# Altium PCB FMC-320U-A1.PcbDoc (part 1 of 2)
Units mm, origin at the board's own origin, x right, y up, seen from the top; angles counter-clockwise.
Board outline 106 x 84 mm, 2 copper layers (L1, L2), stack 0.533 mm thick; 77 components, 125 nets, 413 pads, 171 vias.
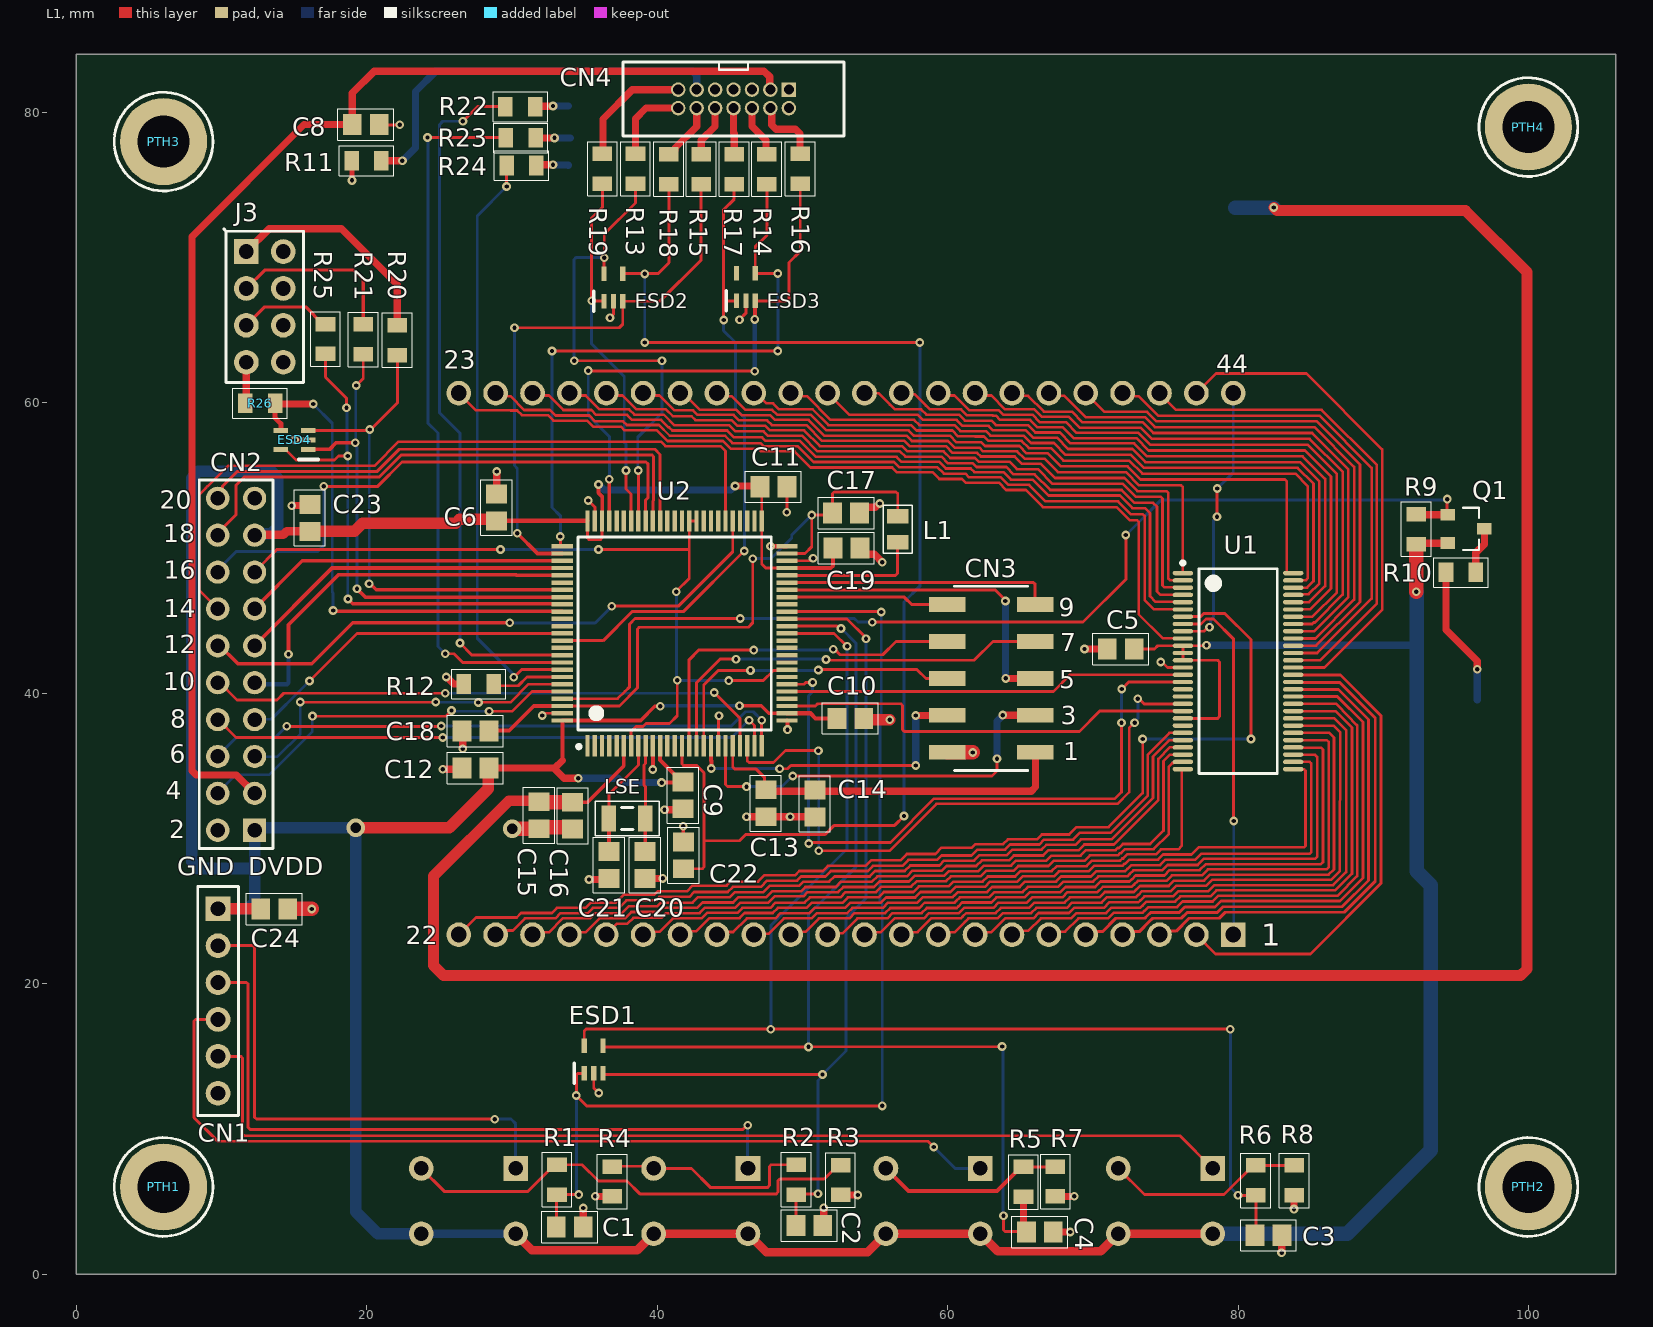
[diagram p0: L1 view]
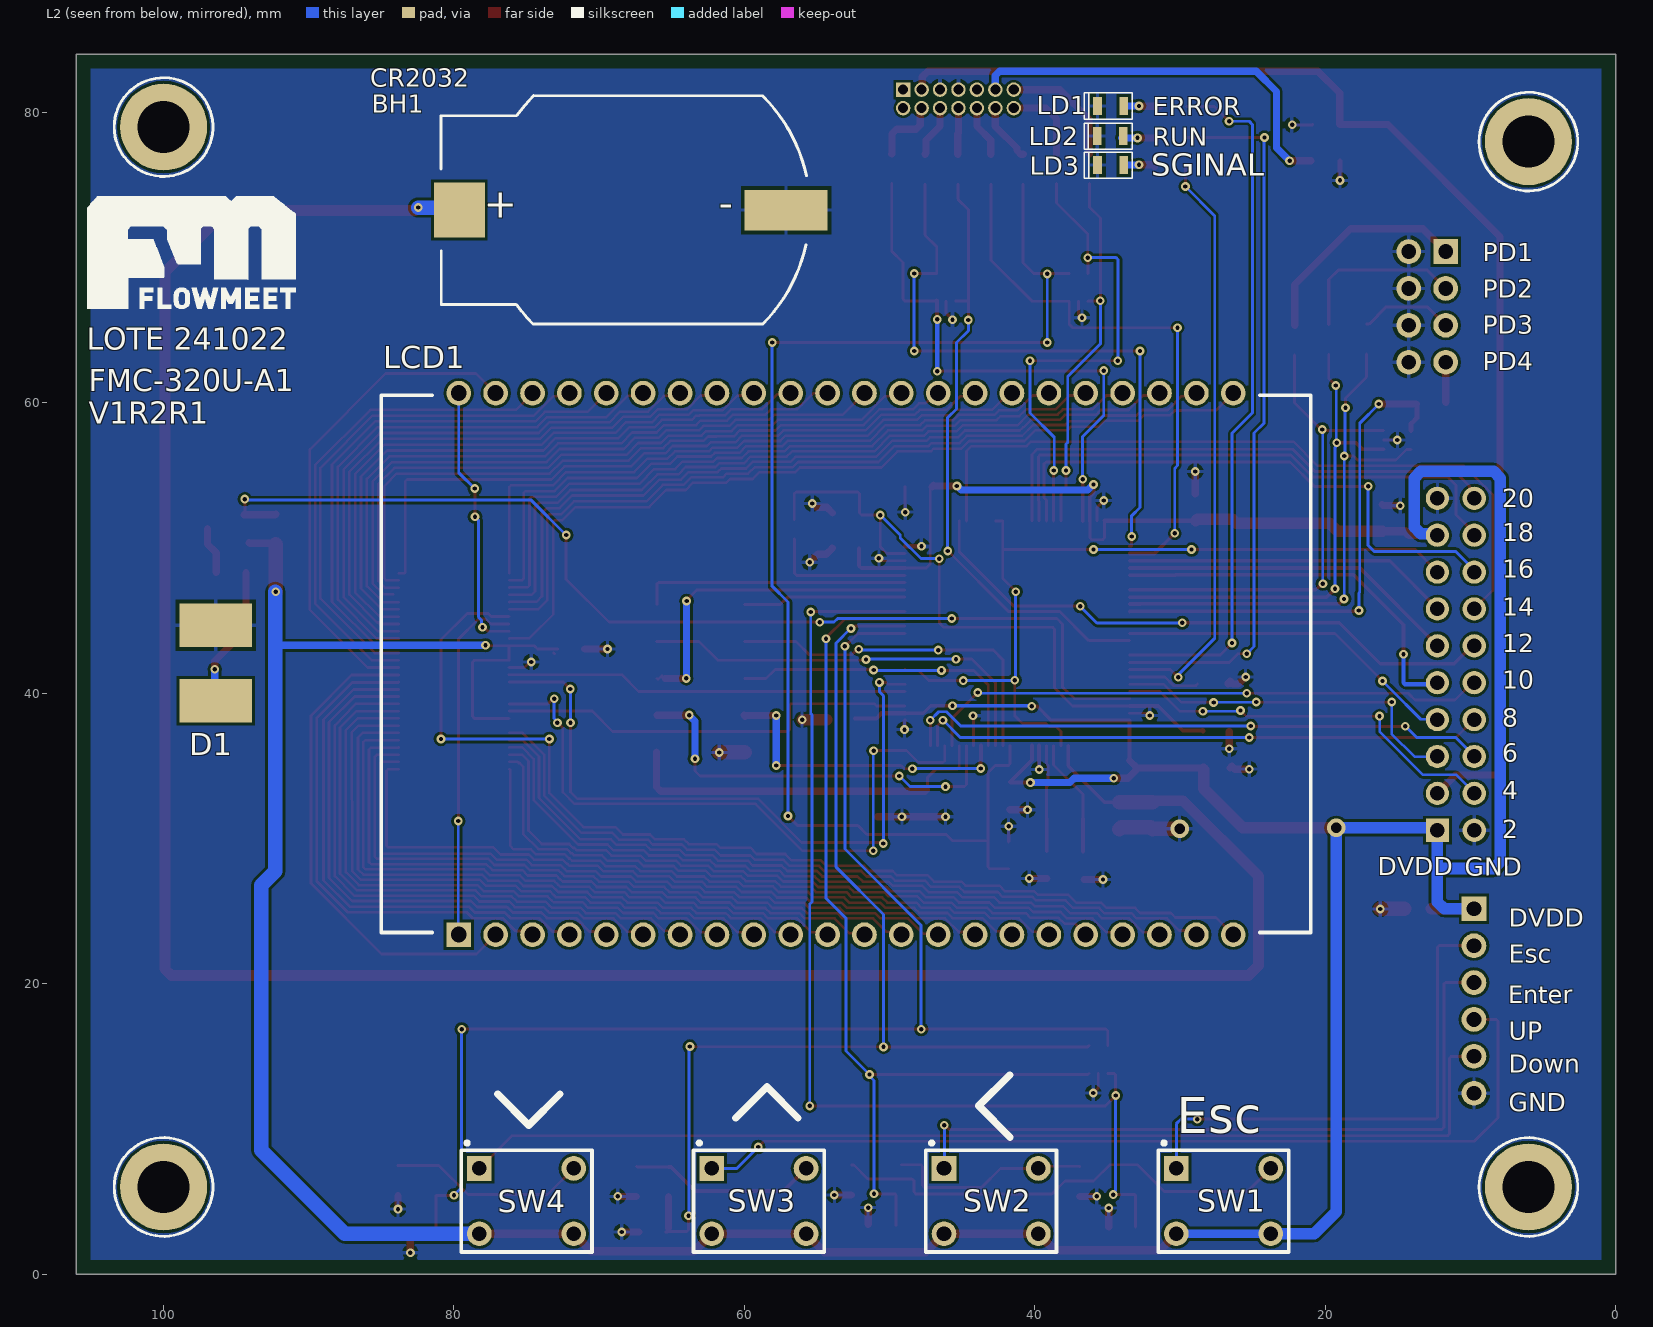
[diagram p1: L2 view, seen from below]
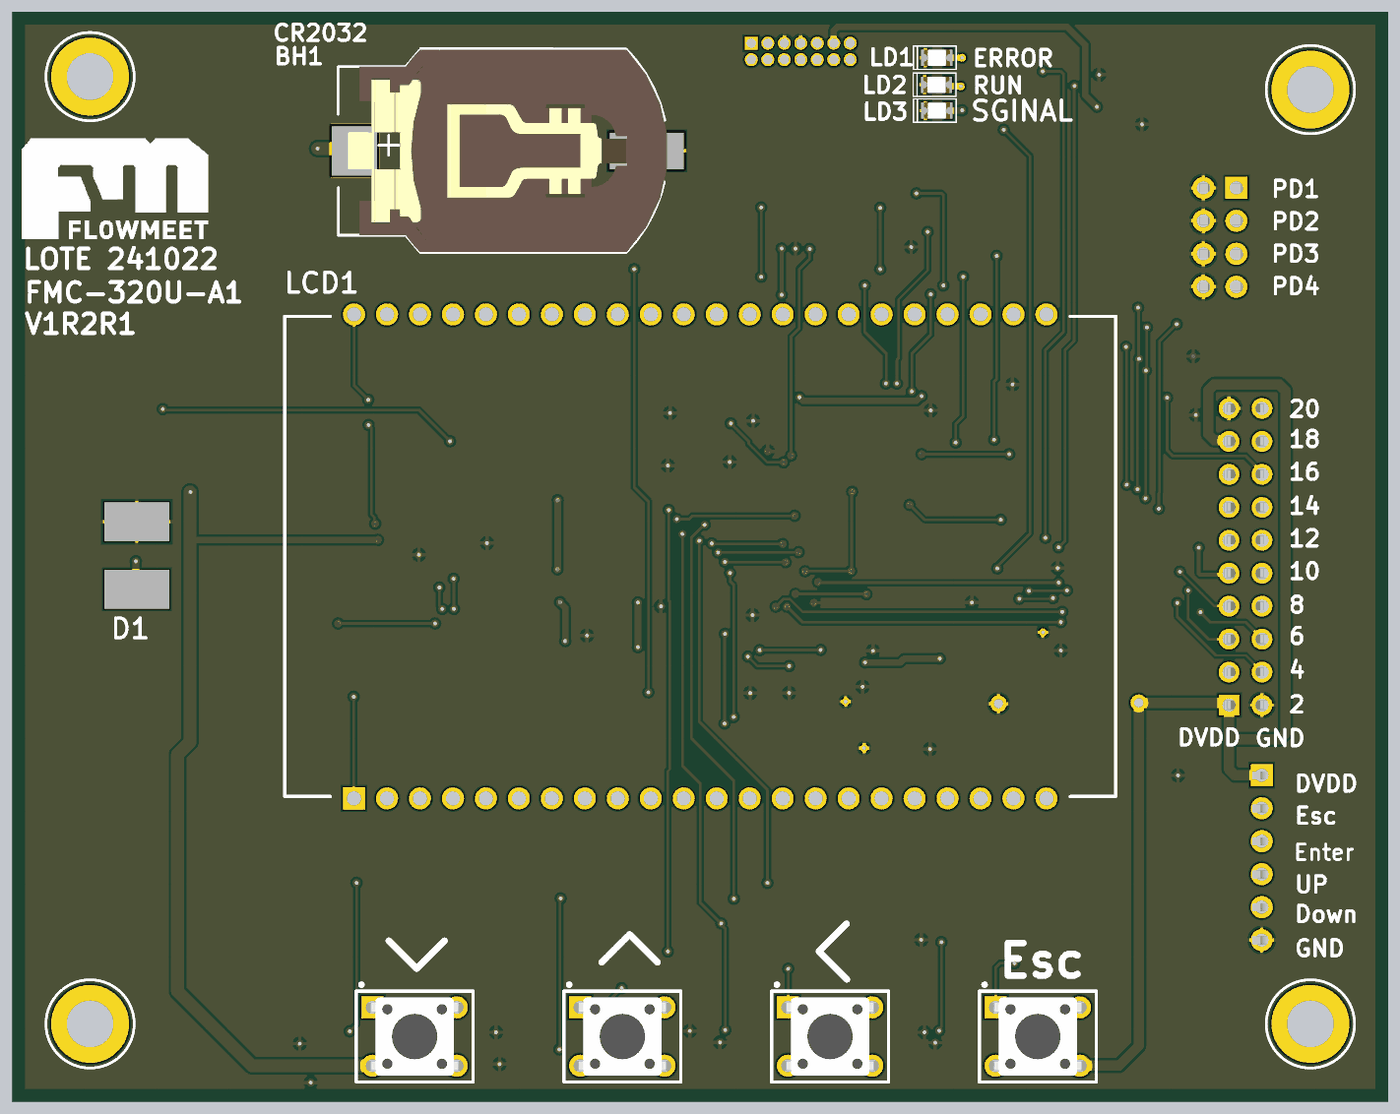
[diagram p3: 3D render of the assembled board from below, using the file's embedded part models]

## Layer stack, top to bottom
Top Solder: solder mask 0.0102, Solder Resist, Dk 3.5
L1: signal copper 0.0356
Dielectric 2: prepreg 0.0711, PP-006, Dk 4.1
Dielectric 1: dielectric 0.32, FR-4, Dk 4.8
Dielectric 3: prepreg 0.0711, PP-006, Dk 4.1
L2: signal copper 0.0356
Bottom Solder: solder mask 0.0102, Solder Resist, Dk 3.5

## Board outline
0,0 0,84 106,84 106,0

## Design rules (kind name [scope] priority, off if disabled: settings)
BoardOutlineClearance [All] p1: gap=0.2 ignorepadtopadclearanceinfootprint=FALSE
Clearance [All] p1: gap=0.18 ignorepadtopadclearanceinfootprint=FALSE
ComponentClearance [All] p1: gap=0.099 collisioncheckmode=3 verticalgap=0.099 showdistances=FALSE
HoleSize [All] p1: absolutevalues=TRUE maxlimit=6 minlimit=0.25 maxpercent=80.000 minpercent=20.000
MinimumSolderMaskSliver [All] p1: minsoldermaskwidth=0.051
PolygonConnect [All] p1: connectstyle=Relief reliefconductorwidth=0.254 reliefentries=4 polygonreliefangle="90 Angle" airgapwidth=0.254
RoutingVias [All] p1: holewidth=0.3 width=0.6 viastyle="Through Hole" minholewidth=0.3 minwidth=0.6 maxholewidth=6 maxwidth=10
SilkToSilkClearance [All] p1: silktosilkclearance=0.15
SilkToSolderMaskClearance [IsPad] p1: minsilkscreentomaskgap=0.15 clearancetoexposedcopper=TRUE
SolderMaskExpansion [All] p1: expansion=0.102 istentingtop=FALSE
Width [All] p1: maxlimit=10 minlimit=0.18 preferedwidth=0.2
25 further rules are at their usual default settings.

## Components (designator, comment, footprint, x,y, rotation, side; value= is the part's Value field where it differs from the comment)
BH1 "CR2032" BS-08-B2AA016 66.625,73.278 r0 bottom
C1 "100nF" CAP_SM0805_YAGEOCC2_N 33.975,3.243 r0 top
C2 "100nF" CAP_SM0805_YAGEOCC2_N 50.475,3.353 r0 top
C3 "100nF" CAP_SM0805_YAGEOCC2_N 82.1,2.678 r0 top
C4 "100nF" CAP_SM0805_YAGEOCC2_N 66.35,2.903 r0 top
C5 "100nF" CAP_SM0805_YAGEOCC2_N 71.923,43.053 r180 top
C6 "100nF" CAP_SM0805_YAGEOCC2_N 28.925,52.801 r90 top
C8 "10uF" CAP_SM0805_YAGEOCC2_N 19.925,79.175 r180 top
C9 "100nF" CAP_SM0805_YAGEOCC2_N 41.775,32.978 r270 top
C10 "100nF" CAP_SM0805_YAGEOCC2_N 53.298,38.278 r0 top
C11 "100nF" CAP_SM0805_YAGEOCC2_N 48,54.228 r0 top
C12 "100nF" CAP_SM0805_YAGEOCC2_N 27.475,34.853 r180 top
C13 "100nF" CAP_SM0805_YAGEOCC2_N 47.475,32.43 r270 top
C14 "2.2uF" CAP_SM0805_YAGEOCC2_N 50.85,32.403 r270 top
C15 "100nF" CAP_SM0805_YAGEOCC2_N 31.85,31.602 r270 top
C16 "1uF" CAP_SM0805_YAGEOCC2_N 34.175,31.575 r270 top
C17 "2.2uF" CAP_SM0805_YAGEOCC2_N 53.007,52.424 r0 top
C18 "2.2uF" CAP_SM0805_YAGEOCC2_N 27.475,37.403 r180 top
C19 "10uF" CAP_SM0805_YAGEOCC2_N 53.027,50.003 r0 top
C20 "12pF" CAP_SM0805_YAGEOCC2_N 39.15,28.178 r270 top
C21 "12pF" CAP_SM0805_YAGEOCC2_N 36.675,28.178 r270 top
C22 "100nF" CAP_SM0805_YAGEOCC2_N 41.805,28.844 r90 top
C23 "10uF" CAP_SM0805_YAGEOCC2_N 16.074,52.085 r270 top
C24 "10uF" CAP_SM0805_YAGEOCC2_N 13.623,25.15 r0 top
CN1 "PH2.54-07-06PWD" "HEADER PIN 1X6 A 90 GRADOS" 9.75,18.81 r270 top
CN2 "DW254R-22-20-85" DW254R-22-10-85 11,42 r90 top locked
CN3 "DW254S-22-10-85" "2X5 100 MILS SMD" 63,41.028 r90 top locked
CN4 "20021511-00014T4LF" 2002151100014T4LF 45.255,80.943 r180 top
D1 "BACKLIGHT" BACKLIGHT 55,42.028 r180 bottom locked
ESD1 "ESDALC6V1W5" ESDALC6V1W5 35.625,14.778 r90 top locked
ESD2 "ESDALC6V1W5" ESDALC6V1W5 36.975,67.953 r90 top
ESD3 "ESDALC6V1W5" ESDALC6V1W5 46.1,67.978 r90 top
ESD4 "ESDALC6V1W5" ESDALC6V1W5 15.025,57.45 r180 top
J3 "PH2.54-07-04PWS-JUMPER" "HEADER PIN 2X4 A 90 GRADOS" 12.97,66.615 r270 top
L1 "2.2uH" LQM21PN2R2MGHL 56.562,51.296 r270 top
LCD1 "FM-160LCD-V2R2R1" "FMC-160LCD V2" 53,42.028 r180 bottom locked
LD1 "ERROR" "LED 0805" 34.775,80.453 r0 bottom
LD2 "RUN" "LED 0805" 34.8,78.378 r0 bottom
LD3 "SGINAL" "LED 0805" 34.775,76.378 r0 bottom
LSE "32,768 kHz" SC-32S32.768kHz20PPM12.5pF 37.925,31.378 r180 top
PTH1 "PTH-3MM-M" PTH_M3_M 6,6 r0 top
PTH2 "PTH-3MM-M" PTH_M3_M 100,6 r0 top
PTH3 "PTH-3MM-M" PTH_M3_M 6,78 r0 top
PTH4 "PTH-3MM-M" PTH_M3_M 100,79 r0 top
Q1 "DMG3401LSN-7" DMG3401LSN-7 95.85,51.328 r0 top
R1 "100K" RES_SM0805_YAGEORC_N 33.097,6.501 r270 top
R2 "100K" RES_SM0805_YAGEORC_N 49.575,6.505 r270 top
R3 "100K" RES_SM0805_YAGEORC_N 52.625,6.478 r90 top
R4 "100K" RES_SM0805_YAGEORC_N 36.9,6.378 r90 top
R5 "100K" RES_SM0805_YAGEORC_N 65.225,6.355 r270 top
R6 "100K" RES_SM0805_YAGEORC_N 81.225,6.455 r270 top
R7 "100K" RES_SM0805_YAGEORC_N 67.425,6.38 r90 top
R8 "100K" RES_SM0805_YAGEORC_N 83.875,6.455 r90 top
R9 "1M" RES_SM0805_YAGEORC_N 92.275,51.305 r270 top
R10 "47R" RES_SM0805_YAGEORC_N 95.35,48.328 r0 top
R11 "100R" RES_SM0805_YAGEORC_N 19.973,76.675 r0 top
R12 "10K" RES_SM0805_YAGEORC_N 27.708,40.642 r0 top
R13 "47R" RES_SM0805_YAGEORC_N 38.5,76.128 r270 top
R14 "47R" RES_SM0805_YAGEORC_N 47.55,76.103 r270 top
R15 "47R" RES_SM0805_YAGEORC_N 43.025,76.101 r270 top
R16 "47R" RES_SM0805_YAGEORC_N 49.85,76.128 r270 top
R17 "47R" RES_SM0805_YAGEORC_N 45.3,76.101 r270 top
R18 "47R" RES_SM0805_YAGEORC_N 40.8,76.103 r270 top
R19 "47R" RES_SM0805_YAGEORC_N 36.225,76.128 r270 top
R20 "1K" RES_SM0805_YAGEORC_N 22.1,64.325 r270 top
R21 "1K" RES_SM0805_YAGEORC_N 19.75,64.377 r270 top
R22 "2K2" RES_SM0805_YAGEORC_N 30.573,80.403 r0 top
R23 "2K2" RES_SM0805_YAGEORC_N 30.6,78.252 r0 top
R24 "2K2" RES_SM0805_YAGEORC_N 30.65,76.356 r0 top
R25 "1K" RES_SM0805_YAGEORC_N 17.15,64.402 r270 top
R26 "1K" RES_SM0805_YAGEORC_N 12.648,59.975 r0 top
SW1 "TC-1102-B-A-B" TC-1102-B-A-B 27,5.028 r180 bottom locked
SW2 "TC-1102-B-A-B" TC-1102-B-A-B 43,5.028 r180 bottom locked
SW3 "TC-1102-B-A-B" TC-1102-B-A-B 59,5.028 r180 bottom locked
SW4 "TC-1102-B-A-B" TC-1102-B-A-B 75,5.028 r180 bottom locked
U1 "PCF8553DTT/AY" "LCD DRIVER - TSSOP56" 80,41.528 r0 top locked
U2 "STM32U575VIT6Q" STM32U575VI 41.2,44.128 r90 top locked

## Footprints (in the part's own frame and the unit in brackets; to place one, negate y for a bottom-side part, rotate by r counter-clockwise, add the part's x,y. Pads: shape width x height; smd on the part's side, far side on the other; paste and mask are expansions set on the pad)
"2X5 100 MILS SMD" [mm]
  rect 1.02x2.5 smd: 1(-5.08,-3.025) 2(-5.08,3.025) 3(-2.54,-3.025) 4(-2.54,3.025) 5(0,-3.025) 6(0,3.025) 7(2.54,-3.025) 8(2.54,3.025) 9(5.08,-3.025) 10(5.08,3.025)
  silkscreen extent -6.35,-2.51 6.35,2.51, body extent -6.39,-3.02 6.23,3.02, height 7.2
2002151100014T4LF [mm]
  rect 1x1 hole 0.7: 1(-3.81,-0.635)
  round 1 hole 0.7: 2(-3.81,0.635) 3(-2.54,-0.635) 4(-2.54,0.635) 5(-1.27,-0.635) 6(-1.27,0.635) 7(0,-0.635) 8(0,0.635) 9(1.27,-0.635) 10(1.27,0.635) 11(2.54,-0.635) 12(2.54,0.635) 13(3.81,-0.635) 14(3.81,0.635)
  silkscreen extent -7.59,-2.54 7.62,2.55, body extent -7.57,-2.55 7.62,2.55, height 5.4
BACKLIGHT [mm]
  rect 5x3 smd: 1(-41.402,-2.54) 2(-41.402,2.667)
  body extent -39.37,-16.5 34.5,16.5, height 3
BS-08-B2AA016 [mm]
  rect 5.7x2.8 smd mask+0.2: NEG(-9.5,0)
  rect 3.5x3.8 smd mask+0.2: POS(13,0)
  silkscreen extent -10.9,-7.9 14.28,7.85, body extent -11.14,-7.8 13.5,7.8, height 5.4
CAP_SM0805_YAGEOCC2_N [mm] "Capacitor, Yageo CC Class2, SM0805, IPC Medium Density"
  rect 1.3x1.45 smd: 1(-0.927,0) 2(0.927,0)
  silkscreen extent -1.92,-1.07 1.92,1.07, body extent -1.1,-0.72 1.1,0.72, height 1.45
DMG3401LSN-7 [mm]
  rect 1x0.8 smd: D(1.1,0) G(-1.4,0.975) S(-1.4,-0.975)
  silkscreen extent -0.35,-1.45 0.75,1.45, body extent -1.67,-1.55 1.33,1.55, height 1.45
DW254R-22-10-85 [mm]
  rect 1.6x1.6 hole 1: 1(-11.43,-1.27)
  round 1.6 hole 1: 2(-11.43,1.27) 3(-8.89,-1.27) 4(-8.89,1.27) 5(-6.35,-1.27) 6(-6.35,1.27) 7(-3.81,-1.27) 8(-3.81,1.27) 9(-1.27,-1.27) 10(-1.27,1.27) 11(1.27,-1.27) 12(1.27,1.27) 13(3.81,-1.27) 14(3.81,1.27) 15(6.35,-1.27) 16(6.35,1.27) 17(8.89,-1.27) 18(8.89,1.27) 19(11.43,-1.27) 20(11.43,1.27)
  silkscreen extent -12.7,-2.54 12.7,2.54, body extent -12.7,-2.54 12.7,2.54, height 8.55
ESDALC6V1W5 [mm]
  rect 1x0.35 smd: 1(-0.95,0.65) 2(-0.95,0) 3(-0.95,-0.65) 4(0.95,-0.65) 5(0.95,0.65)
  silkscreen extent -1.63,1.35 -0.28,1.35, body extent -1.07,-1 1.03,1, height 1.1
"FMC-160LCD V2" [mm]
  rect 1.7x1.7 hole 1.1: 1(-26.67,-18.65)
  round 1.7 hole 1.1: 2(-24.13,-18.65) 3(-21.59,-18.65) 4(-19.05,-18.65) 5(-16.51,-18.65) 6(-13.97,-18.65) 7(-11.43,-18.65) 8(-8.89,-18.65) 9(-6.35,-18.65) 10(-3.81,-18.65) 11(-1.27,-18.65) 12(1.27,-18.65) 13(3.81,-18.65) 14(6.35,-18.65) 15(8.89,-18.65) 16(11.43,-18.65) 17(13.97,-18.65) 18(16.51,-18.65) 19(19.05,-18.65) 20(21.59,-18.65) 21(24.13,-18.65) 22(26.67,-18.65) 23(26.67,18.65) 24(24.13,18.65) 25(21.59,18.65) 26(19.05,18.65) 27(16.51,18.65) 28(13.97,18.65) 29(11.43,18.65) 30(8.89,18.65) 31(6.35,18.65) 32(3.81,18.65) 33(1.27,18.65) 34(-1.27,18.65) 35(-3.81,18.65) 36(-6.35,18.65) 37(-8.89,18.65) 38(-11.43,18.65) 39(-13.97,18.65) 40(-16.51,18.65) 41(-19.05,18.65) 42(-21.59,18.65) 43(-24.13,18.65) 44(-26.67,18.65)
  silkscreen extent -32,-18.5 32,18.5, body extent -32,-19.56 32,19.54, height 7
"HEADER PIN 1X6 A 90 GRADOS" [mm]
  rect 1.7x1.7 hole 1.02: 1(-6.35,0)
  round 1.7 hole 1.02: 2(-3.81,0) 3(-1.27,0) 4(1.27,0) 5(3.81,0) 6(6.35,0)
  silkscreen extent -7.87,-1.4 7.87,1.4, body extent -7.39,-8.99 7.44,0.72, height 3.55
"HEADER PIN 2X4 A 90 GRADOS" [mm]
  rect 1.7x1.7 hole 1.02: 1(-3.81,-1.27)
  round 1.7 hole 1.02: 2(-3.81,1.27) 3(-1.27,-1.27) 4(-1.27,1.27) 5(1.27,-1.27) 6(1.27,1.27) 7(3.81,-1.27) 8(3.81,1.27)
  silkscreen extent -5.38,-2.83 5.21,2.67, body extent -4.95,-12.29 4.95,1.55, height 5.54
"LCD DRIVER - TSSOP56" [mm] "TSSOP, 56-Leads, Body 14,00x6,10mm, Pitch 0,50mm, IPC Medium Density"
  oval 1.4x0.3 smd: 1(-3.8,6.75) 2(-3.8,6.25) 3(-3.8,5.75) 4(-3.8,5.25) 5(-3.8,4.75) 6(-3.8,4.25) 7(-3.8,3.75) 8(-3.8,3.25) 9(-3.8,2.75) 10(-3.8,2.25) 11(-3.8,1.75) 12(-3.8,1.25) 13(-3.8,0.75) 14(-3.8,0.25) 15(-3.8,-0.25) 16(-3.8,-0.75) 17(-3.8,-1.25) 18(-3.8,-1.75) 19(-3.8,-2.25) 20(-3.8,-2.75) 21(-3.8,-3.25) 22(-3.8,-3.75) 23(-3.8,-4.25) 24(-3.8,-4.75) 25(-3.8,-5.25) 26(-3.8,-5.75) 27(-3.8,-6.25) 28(-3.8,-6.75) 29(3.8,-6.75) 30(3.8,-6.25) 31(3.8,-5.75) 32(3.8,-5.25) 33(3.8,-4.75) 34(3.8,-4.25) 35(3.8,-3.75) 36(3.8,-3.25) 37(3.8,-2.75) 38(3.8,-2.25) 39(3.8,-1.75) 40(3.8,-1.25) 41(3.8,-0.75) 42(3.8,-0.25) 43(3.8,0.25) 44(3.8,0.75) 45(3.8,1.25) 46(3.8,1.75) 47(3.8,2.25) 48(3.8,2.75) 49(3.8,3.25) 50(3.8,3.75) 51(3.8,4.25) 52(3.8,4.75) 53(3.8,5.25) 54(3.8,5.75) 55(3.8,6.25) 56(3.8,6.75)
  silkscreen extent -3.92,-7.05 2.7,7.57, body extent -4.05,-7.05 4.05,7.05, height 1.2
"LED 0805" [mm]
  rect 0.6x1.25 smd: A(-0.9,0) K(0.9,0)
  silkscreen extent -1.5,-0.9 1.8,0.9, body extent -1,-0.63 1,0.63, height 1
LQM21PN2R2MGHL [mm]
  rect 1x1.5 smd: 1(-0.9,0) 2(0.9,0)
  silkscreen extent -1.65,-1 1.65,1, body extent -1,-0.62 1,0.62, height 1.02
PTH_M3_M [mm]
  round 6 hole 3.6: 1(0,0)
  silkscreen extent -3.4,-3.4 3.4,3.4
RES_SM0805_YAGEORC_N [mm] "Resistor, Yageo RC_L, SM0805, IPC Medium Density"
  rect 1x1.35 smd: 1(-1.027,0) 2(1.027,0)
  silkscreen extent -1.88,-1.02 1.88,1.02, body extent -1.05,-0.67 1.05,0.67, height 0.6
SC-32S32.768kHz20PPM12.5pF [mm]
  rect 1x1.8 smd: 1(-1.25,0) 2(1.25,0)
  silkscreen extent -2.21,-1.19 2.18,1.19, body extent -1.65,-0.84 1.65,0.76, height 0.84
STM32U575VI [mm] "Ultra-low-power with FPU Arm Cortex-M33 MCU with TrustZone, 160 MHz with 2 Mbytes of Flash memory"
  rect 1.475x0.3 smd mask+0.051: 1(-7.738,6) 2(-7.738,5.5) 3(-7.738,5) 4(-7.738,4.5) 5(-7.738,4) 6(-7.738,3.5) 7(-7.738,3) 8(-7.738,2.5) 9(-7.738,2) 10(-7.738,1.5) 11(-7.738,1) 12(-7.738,0.5) 13(-7.738,0) 14(-7.738,-0.5) 15(-7.738,-1) 16(-7.738,-1.5) 17(-7.738,-2) 18(-7.738,-2.5) 19(-7.738,-3) 20(-7.738,-3.5) 21(-7.738,-4) 22(-7.738,-4.5) 23(-7.738,-5) 24(-7.738,-5.5) 25(-7.738,-6) 51(7.738,-6) 52(7.738,-5.5) 53(7.738,-5) 54(7.738,-4.5) 55(7.738,-4) 56(7.738,-3.5) 57(7.738,-3) 58(7.738,-2.5) 59(7.738,-2) 60(7.738,-1.5) 61(7.738,-1) 62(7.738,-0.5) 63(7.738,0) 64(7.738,0.5) 65(7.738,1) 66(7.738,1.5) 67(7.738,2) 68(7.738,2.5) 69(7.738,3) 70(7.738,3.5) 71(7.738,4) 72(7.738,4.5) 73(7.738,5) 74(7.738,5.5) 75(7.738,6)
  rect 0.3x1.475 smd mask+0.051: 26(-6,-7.738) 27(-5.5,-7.738) 28(-5,-7.738) 29(-4.5,-7.738) 30(-4,-7.738) 31(-3.5,-7.738) 32(-3,-7.738) 33(-2.5,-7.738) 34(-2,-7.738) 35(-1.5,-7.738) 36(-1,-7.738) 37(-0.5,-7.738) 38(0,-7.738) 39(0.5,-7.738) 40(1,-7.738) 41(1.5,-7.738) 42(2,-7.738) 43(2.5,-7.738) 44(3,-7.738) 45(3.5,-7.738) 46(4,-7.738) 47(4.5,-7.738) 48(5,-7.738) 49(5.5,-7.738) 50(6,-7.738) 76(6,7.738) 77(5.5,7.738) 78(5,7.738) 79(4.5,7.738) 80(4,7.738) 81(3.5,7.738) 82(3,7.738) 83(2.5,7.738) 84(2,7.738) 85(1.5,7.738) 86(1,7.738) 87(0.5,7.738) 88(0,7.738) 89(-0.5,7.738) 90(-1,7.738) 91(-1.5,7.738) 92(-2,7.738) 93(-2.5,7.738) 94(-3,7.738) 95(-3.5,7.738) 96(-4,7.738) 97(-4.5,7.738) 98(-5,7.738) 99(-5.5,7.738) 100(-6,7.738)
  silkscreen extent -7.9,-6.65 6.65,6.7, body extent -8.1,-8.1 8.1,8.1, height 1.6
TC-1102-B-A-B [mm] "Tactile 6x6mm true hole"
  rect 1.7x1.7 hole 1: 1(-3.25,2.25)
  round 1.7 hole 1: 2(3.25,2.25) 3(-3.25,-2.25) 4(3.25,-2.25)
  silkscreen extent -4.5,-3.5 4.5,4.12, body extent -3.87,-3.02 3.87,3.01, height 5.02
